# Altium PCB 400503.PcbDoc (part 3 of 3)
Units mm, origin at the board's own origin, x right, y up, seen from the top; angles counter-clockwise.
Board outline 200 x 200 mm, 4 copper layers (Top Layer, Mid-Layer 1, Mid-Layer 2, Bottom Layer), stack 1.58 mm thick; 164 components, 71 nets, 445 pads, 598 vias.
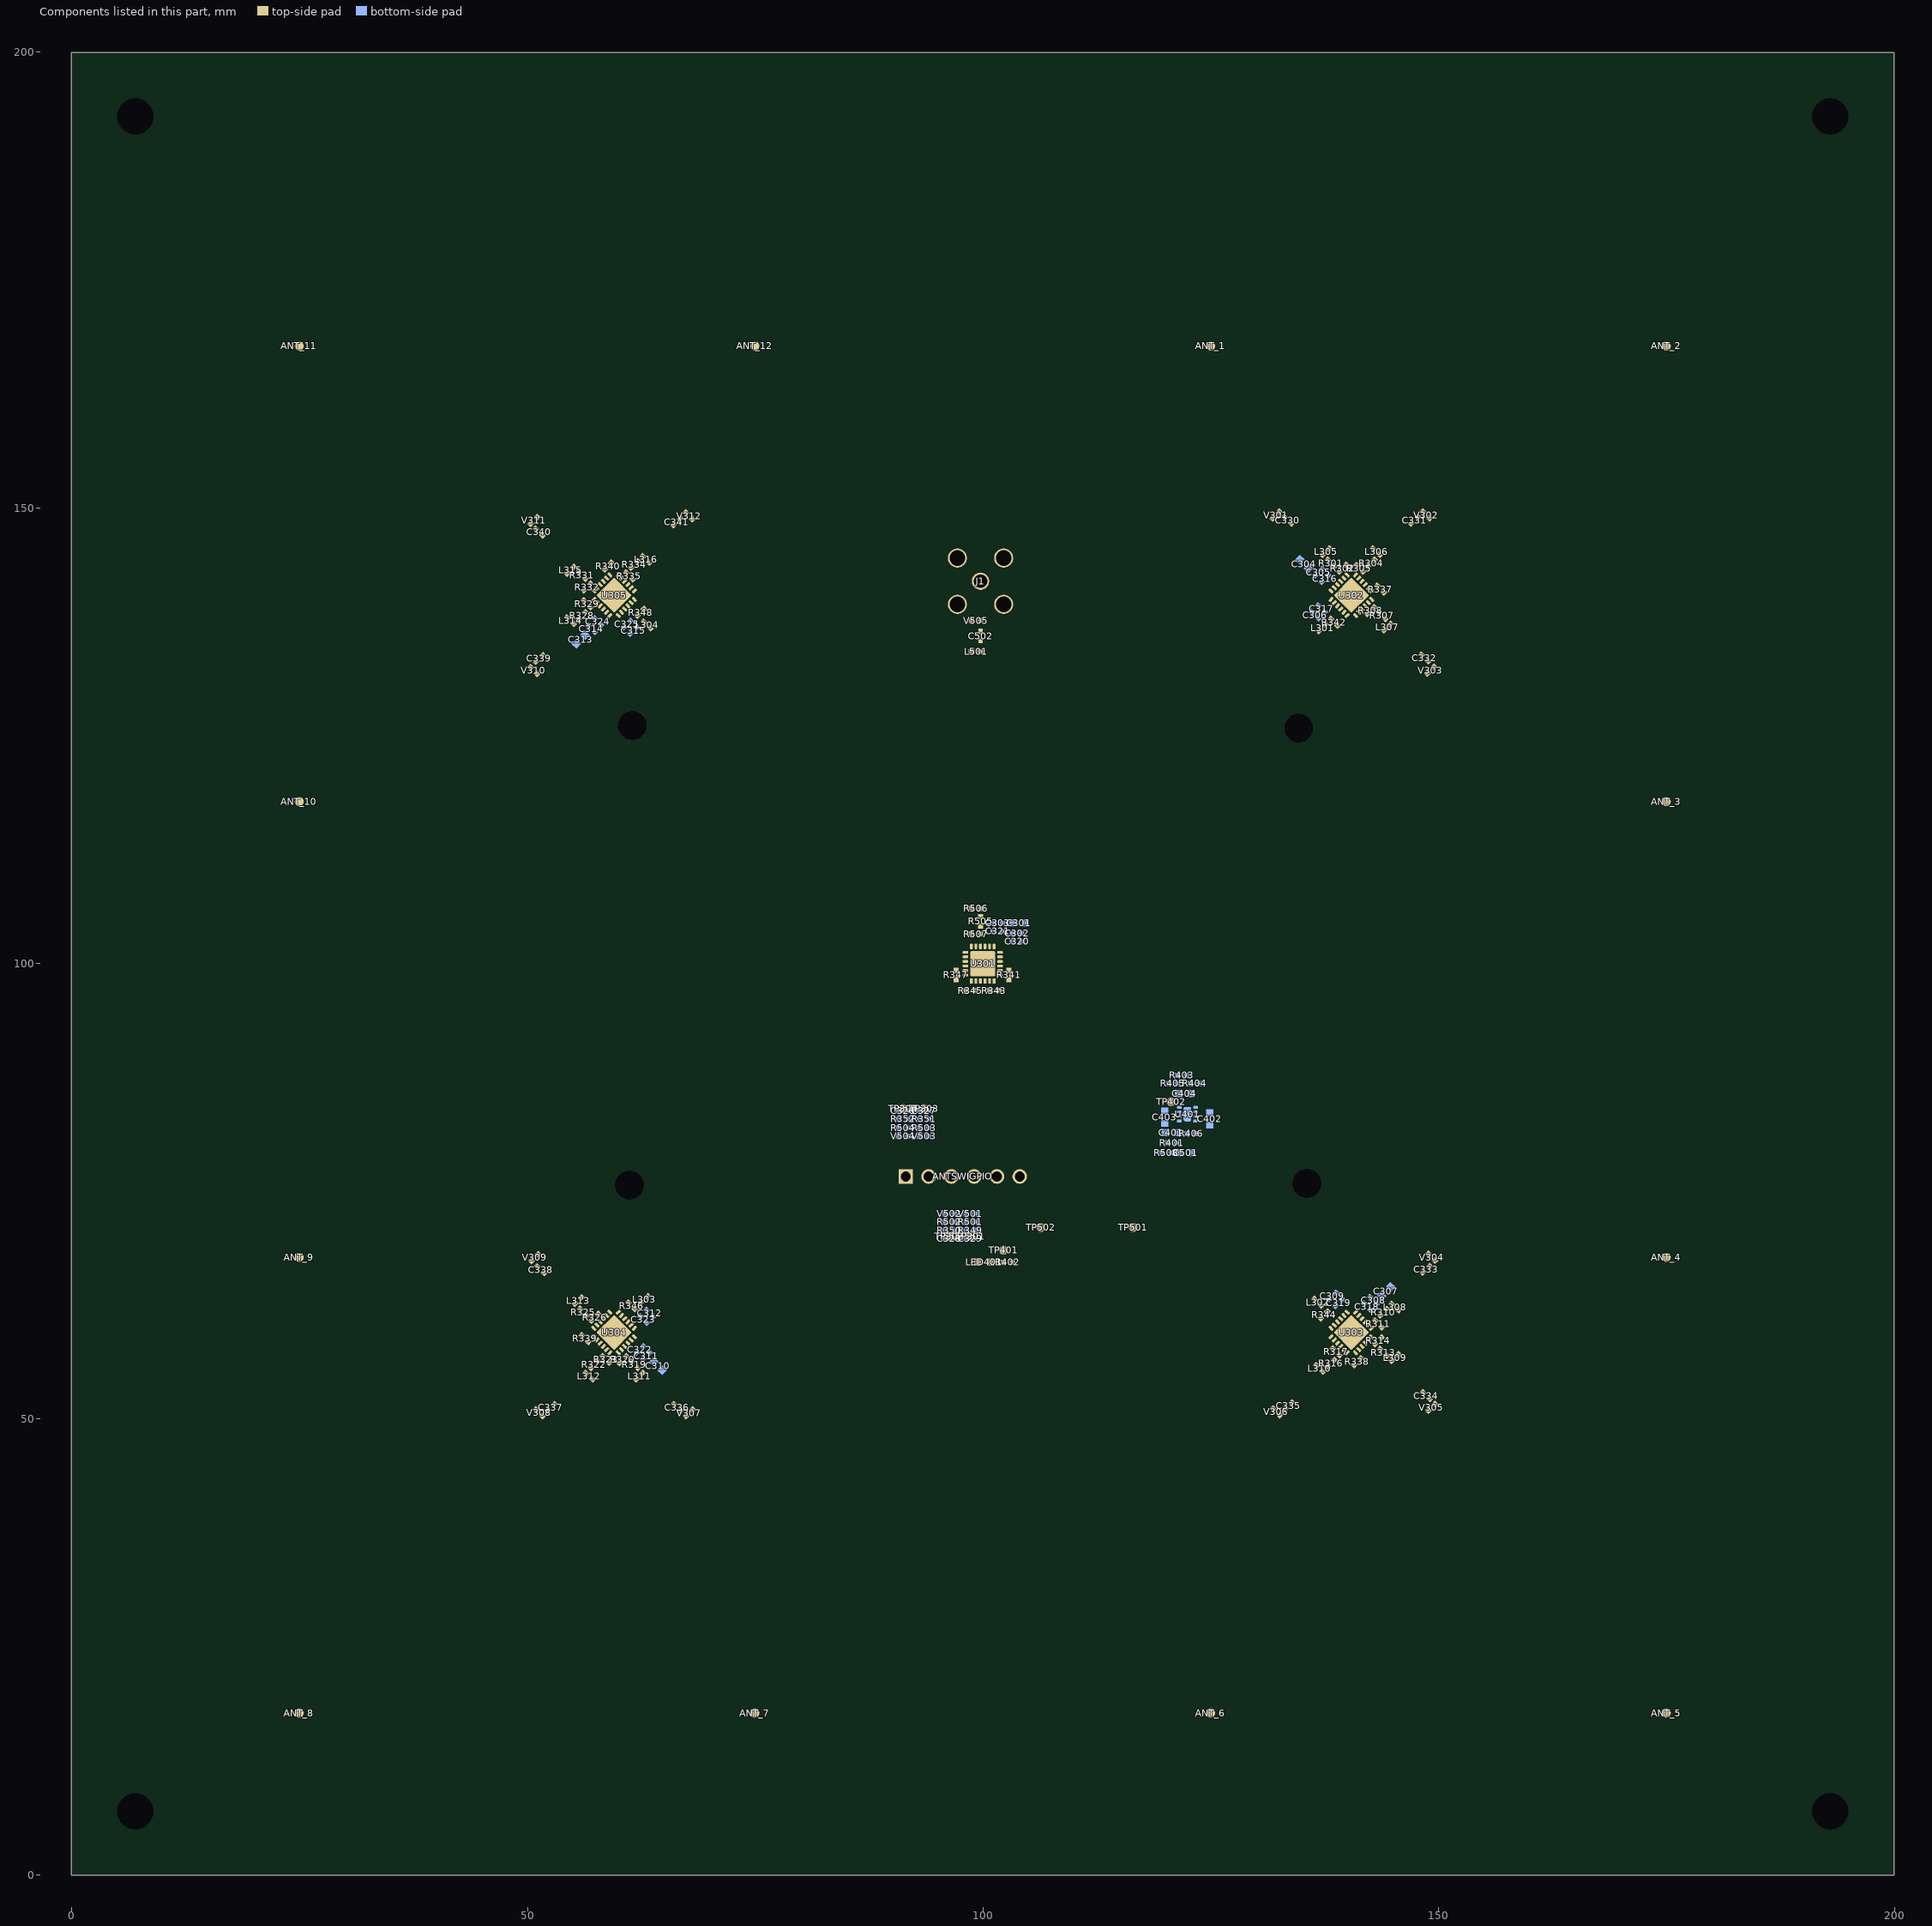
[diagram p5: the components of this part, seen from the top]

## Silkscreen, mask and mechanical layers (free items; w line width, h text height) (continued)
Mechanical_input:
  drawing of 319 lines, arcs and shapes, not listed
  text "GND" at 61.098,-70.05 h1.78
  text "GND" at 144.588,-70.101 h1.78
  text "GND" at 52.894,-72.59 h1.78
  text "'.PCBrevision'" at 148.245,-79.235 h1 r90
  text "'.PCBnumber'" at 146.942,-79.3 h2.03 r90
  text "P0.27" at 69.734,-81.887 h1.78 r90
  text "P0.26" at 72.274,-81.887 h1.78 r90
  text "P0.02" at 74.814,-81.887 h1.78 r90
  text "GND" at 77.354,-81.887 h1.78 r90
  text "P0.25" at 79.894,-81.887 h1.78 r90
  text "P0.24" at 82.434,-81.887 h1.78 r90
  text "P0.23" at 84.974,-81.887 h1.78 r90
  text "P0.22" at 87.514,-81.887 h1.78 r90
  text "P0.20" at 90.054,-81.887 h1.78 r90
  text "P0.19" at 92.594,-81.887 h1.78 r90
  text "P0.18" at 96.658,-81.887 h1.78 r90
  text "P0.17" at 99.198,-81.887 h1.78 r90
  text "P0.16" at 101.738,-81.887 h1.78 r90
  text "P0.15" at 104.278,-81.887 h1.78 r90
  text "P0.14" at 106.818,-81.887 h1.78 r90
  text "P0.13" at 109.358,-81.887 h1.78 r90
  text "P0.12" at 111.898,-81.887 h1.78 r90
  text "P0.10" at 119.518,-81.887 h1.78 r90
  text "P0.09" at 122.058,-81.887 h1.78 r90
  text "P0.08" at 124.598,-81.887 h1.78 r90
  text "P0.07" at 127.138,-81.887 h1.78 r90
  text "P0.06" at 129.678,-81.887 h1.78 r90
  text "P0.05" at 132.218,-81.887 h1.78 r90
  text "P0.21" at 134.758,-81.887 h1.78 r90
  text "P0.01" at 137.298,-81.887 h1.78 r90
  text "P0.00" at 139.863,-81.887 h1.78 r90
  text "Debug out" at 50.836,-82.014 h2.03
  text "LED1" at 128.281,-84.214 h2.03
  text "LED2" at 134.479,-84.214 h2.03
  text "GPIO" at 120.432,-87.693 h1
  text "LED3" at 128.154,-87.998 h2.03
  text "LED4" at 134.504,-87.998 h2.03
  text "XTAL" at 120.432,-88.963 h1
  text "nRF current" at 54.062,-90.142 h2.03
  text "VTG" at 74.738,-90.716 h1.4 r90
  text "VDD / nRF" at 70.191,-90.792 h1.4 r90
  text "VDD" at 72.198,-90.78 h1.4 r90
  text "(ARDUINO D0) P0.11" at 114.463,-90.919 h1.78 r90
  text "SWD / IO" at 77.938,-91.021 h1.4 r90
  text "SWD / CLK" at 80.478,-91.021 h1.4 r90
  text "SWO" at 82.358,-91.033 h1.4 r90
  text "measurement" at 53.58,-91.437 h2.03
  text "RESET" at 84.949,-91.961 h1.4 r90
  text "GND / DETECT" at 88.682,-92.148 h1.4 r90
  text "P0.24" at 108.197,-96.691 h1
  text "5V" at 119.678,-96.742 h1
  text "P0.23" at 119.678,-99.205 h1
  text "P0.25" at 108.147,-99.231 h1
  text "DETECT" at 119.59,-101.699 h1
  text "RESET" at 107.385,-101.771 h1
  text "Button 1" at 124.621,-109.475 h2.29
  text "Button 2" at 135.593,-109.475 h2.29
  text "External supply" at 52.741,-111.071 h2.03
  text "-" at 64.197,-113.51 h1.78
  text "Debug in" at 108.621,-115.76 h2.03
  text "GND" at 97.826,-115.811 h1.78 r90
  text "+" at 64.197,-116.05 h1.78
  text "IF BOOT/RESET" at 65.695,-120.52 h2.03
  text "Button 4" at 135.644,-120.665 h2.29
  text "Button 3" at 124.544,-120.676 h2.29
  text "N.C." at 96.683,-121.308 h1.78 r90
  text "VDD" at 78.795,-121.311 h1.78 r90
  text "VDD" at 81.335,-121.311 h1.78 r90
  text "RESET" at 83.875,-121.311 h1.78 r90
  text "VDD" at 86.415,-121.311 h1.78 r90
  text "5V" at 88.955,-121.311 h1.78 r90
  text "GND" at 91.495,-121.311 h1.78 r90
  text "GND" at 94.035,-121.311 h1.78 r90
  text "P0.03 (A0)" at 101.655,-121.311 h1.78 r90
  text "P0.04" at 104.195,-121.311 h1.78 r90
  text "P0.28" at 106.735,-121.311 h1.78 r90
  text "P0.29" at 109.275,-121.311 h1.78 r90
  text "P0.30" at 111.815,-121.311 h1.78 r90
  text "P0.31" at 114.355,-121.311 h1.78 r90
  text "OFF" at 53.351,-129.893 h1.78
  text "ON" at 56.78,-129.893 h1.78
  text "nRF52811-DK" at 137.019,-130.645 h2.54
  text "GND" at 70.242,-131.01 h1.78
  text "Power" at 53.783,-131.264 h2.03
Mechanical 8:
  circle w0.1: c121.93,82.738 r0.1
  circle w0.1: c52.97,75.875 r1.6
  circle w0.1: c134.25,124.135 r1.6
  circle w0.1: c135.52,75.875 r1.6
  circle w0.1: c83.45,108.895 r1.6
  circle w0.1: c83.45,80.955 r1.6
  lines w0.254: 47.89,78.405 47.89,111.171 50.43,113.711 50.43,130.729 cw(c51.446,130.729) 51.446,131.745 148.474,131.745 cw(c148.487,130.742) 149.49,130.754 149.49,69.261 cw(c148.474,69.261) 148.474,68.245 51.421,68.245 cw(c51.433,69.248) 50.43,69.261 50.43,75.865 47.89,78.405

## Dimensions
199.96,199.96 to -0.04,199.96 on Outline
-0.04,-0.04 to -0.04,199.96 on Outline
51.446,130.729 to 150.749,132.987 on Mechanical 3
148.474,68.245 to 134.64,125.85 on Mechanical 3
148.474,68.245 to 61.54,126.13 on Mechanical 3
148.474,68.245 to 61.18,75.68 on Mechanical 3
148.474,68.245 to 148.474,131.745 on Mechanical 3
149.49,130.754 to 61.18,75.68 on Mechanical 3
149.49,130.754 to 134.64,125.85 on Mechanical 3
149.49,130.754 to 135.52,75.865 on Mechanical 3
149.49,130.754 to 47.89,78.405 on Mechanical 3
149.49,130.754 to 50.43,75.865 on Mechanical 3